# Altium PCB 充放电模块V2.PcbDoc
Units mm, origin at the board's own origin, x right, y up, seen from the top; angles counter-clockwise.
Board outline 37.85 x 48.13 mm, 2 copper layers (Top Layer, Bottom Layer); 64 components, 40 nets, 190 pads, 108 vias.
Unrouted connection lines stored in the file: 1.
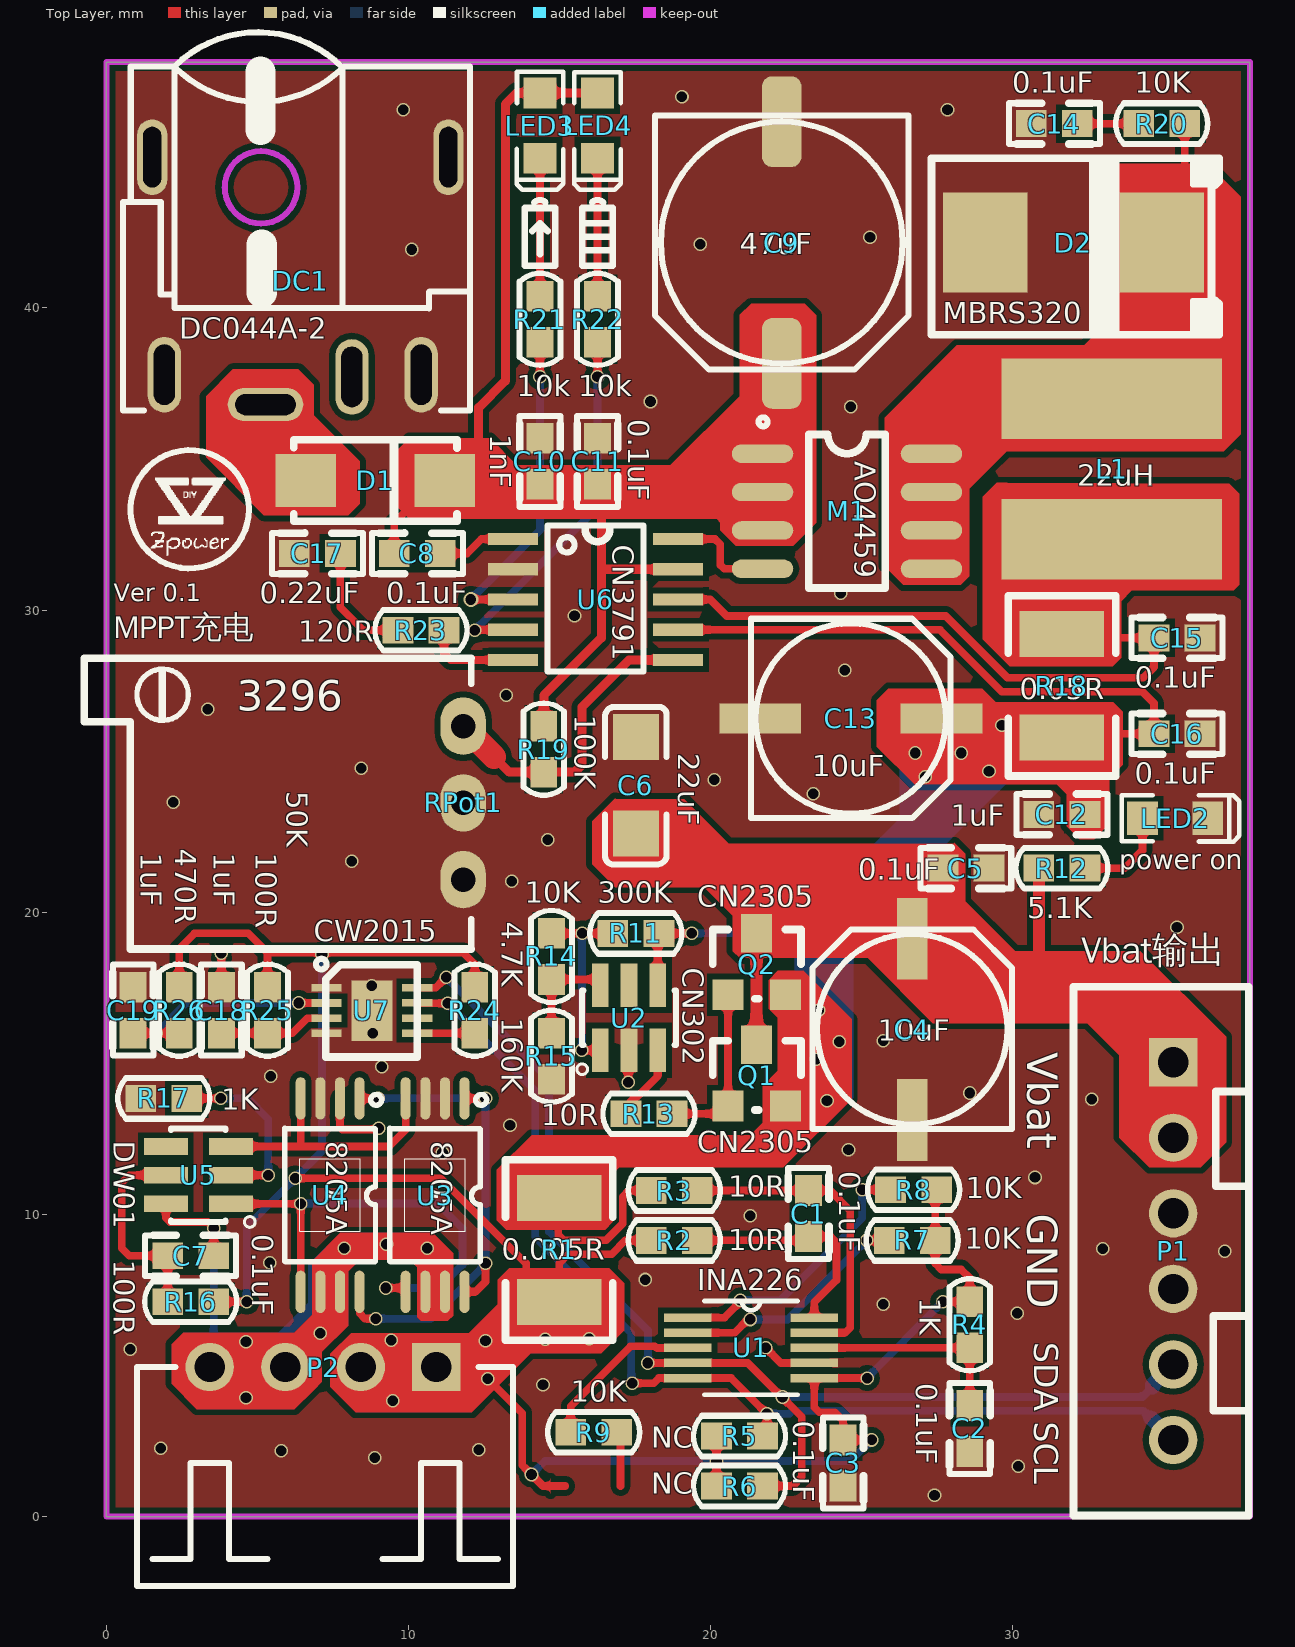
[diagram p0: Top Layer view]
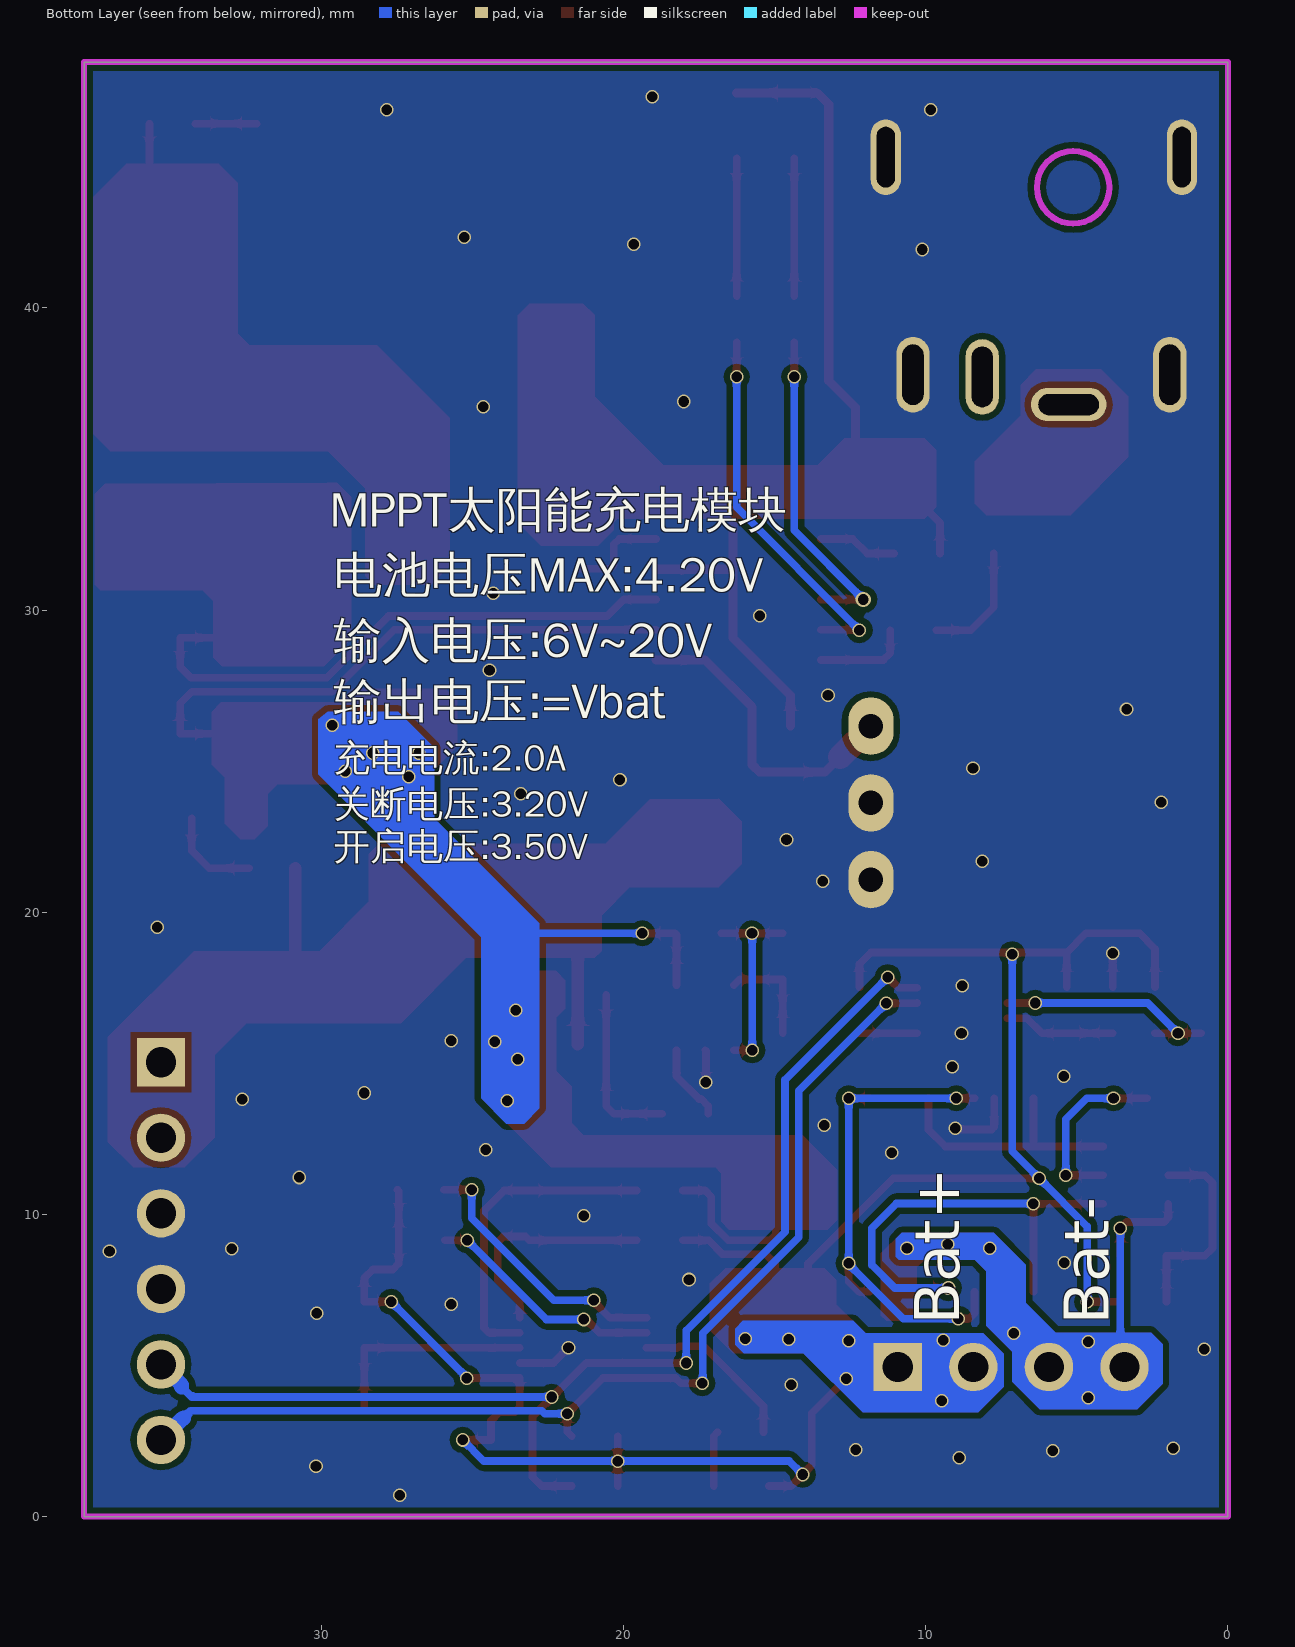
[diagram p1: Bottom Layer view, seen from below]
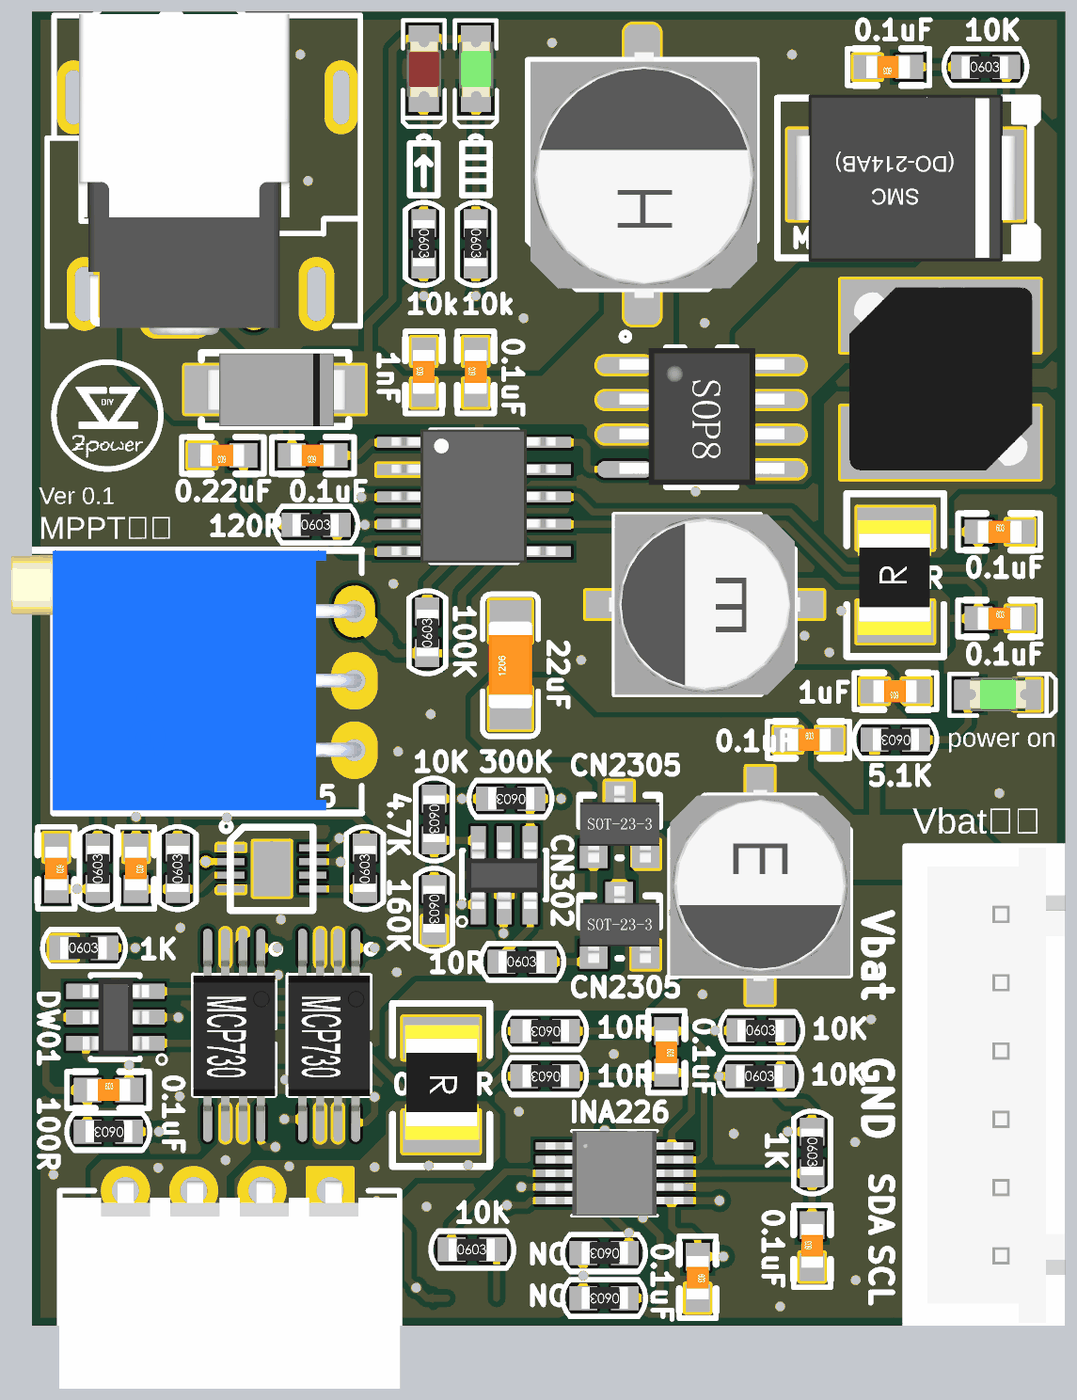
[diagram p2: 3D render of the assembled board from above, using the file's embedded part models]

## Layer stack, top to bottom
Top Solder: solder mask 0.0102, Solder Resist, Dk 3.5
Top Layer: signal copper 0.0356
Dielectric 1: dielectric 0.32, FR-4, Dk 4.8
Bottom Layer: signal copper 0.0356
Bottom Solder: solder mask 0.0102, Solder Resist, Dk 3.5

## Board outline
0,0 37.846,0 37.846,48.133 0,48.133

## Design rules (kind name [scope] priority, off if disabled: settings)
Clearance [All] p1: gap=0.2
ComponentClearance [All] p1: gap=0 collisioncheckmode=3 verticalgap=0 showdistances=FALSE
MinimumSolderMaskSliver [All] p1: minsoldermaskwidth=0
PlaneConnect [All] p1: planeconnectstyle=Direct reliefexpansion=0.508 reliefentries=4 reliefconductorwidth=0.254 reliefairgap=0.254
PolygonConnect [All] p1: connectstyle=Direct reliefconductorwidth=0.254 reliefentries=4 polygonreliefangle="90 Angle" airgapwidth=0.254
RoutingVias [All] p1: holewidth=0.4 width=0.5 viastyle="Through Hole" minholewidth=0.35 minwidth=0.45 maxholewidth=1 maxwidth=2
SilkToSilkClearance [All] p1: silktosilkclearance=0
SilkToSolderMaskClearance [IsPad] p1: minsilkscreentomaskgap=0 clearancetoexposedcopper=TRUE
SolderMaskExpansion [All] p1: expansion=0.102
Width [All] p1: maxlimit=1 minlimit=0.2 preferedwidth=0.3
25 further rules are at their usual default settings.

## Components (designator, comment, footprint, x,y, rotation, side; value= is the part's Value field where it differs from the comment)
C1 "0.1uF" 0603-C 23.241,10.82 r270 top
C2 "0.1uF" 0603-C 28.575,2.134 r90 top
C3 "0.1uF" 0603-C 24.384,2.565 r270 top
C4 "10uF" C6.3X6.3 26.67,16.129 r270 top
C5 "0.1uF" 0603-C 27.661,21.463 r0 top
C6 "22uF" "1206 C" 17.526,22.606 r90 top
C7 "0.1uF" 0603-C 2.007,8.636 r0 top
C8 "0.1uF" 0603-C 11.074,31.877 r180 top
C9 "47uF" C8X8 22.352,42.164 r90 top
C10 "1nF" 0603-C 14.351,34.138 r90 top
C11 "0.1uF" 0603-C 16.256,34.138 r90 top
C12 "1uF" 0603-C 32.41,23.241 r180 top
C13 "10uF" C6.3X6.3 24.638,26.416 r180 top
C14 "0.1uF" 0603-C 32.156,46.101 r180 top
C15 "0.1uF" 0603-C 34.646,29.083 r0 top
C16 "0.1uF" 0603-C 34.646,25.908 r0 top
C17 "0.22uF" 0603-C 7.772,31.877 r180 top
C18 "1uF" 0603-C 3.81,17.551 r270 top
C19 "1uF" 0603-C 0.889,17.551 r270 top
D1 "二极管" DO-214 6.604,34.29 r0 top
D2 "MBRS320" DO-214AB 31.242,42.164 r0 top
DC1 "DC044A-2" "DC044A 6PIN" 11.328,44.985 r270 top
L1 "22uH" L7X7 33.274,34.671 r270 top
LED2 "LED" LED0805G 34.29,23.114 r0 top
LED3 "LED" LED0805R 14.351,47.117 r270 top
LED4 "LED" LED0805G 16.256,47.117 r270 top
M1 "AO4459" SOP8 21.742,35.204 r0 top
P1 "Vout" XHS2.5-6P 35.306,15.04 r90 top
P2 "BAT" "XH 2.5 AW 4PIN" 3.429,4.953 r0 top
Q1 "CN2305" SOT23 20.45,13.573 r0 top
Q2 "CN2305" SOT23 20.45,17.256 r0 top
R1 "0.005R" 1210R 14.986,10.541 r270 top
R2 "10R" 0603-r 19.583,9.144 r180 top
R3 "10R" 0603-r 19.583,10.795 r180 top
R4 "1K" 0603-r 28.575,7.137 r270 top
R5 "NC" 0603-r 21.742,2.667 r180 top
R6 "NC" 0603-r 21.742,1.016 r180 top
R7 "10K" 0603-r 25.883,9.144 r0 top
R8 "10K" 0603-r 25.927,10.82 r0 top
R9 "10K" 0603-r 15.342,2.794 r0 top
R11 "300K" 0603-r 18.313,19.304 r180 top
R12 "5.1K" 0603-r 32.41,21.463 r180 top
R13 "10R" 0603-r 17.17,13.335 r0 top
R14 "10K" 0603-r 14.732,19.329 r270 top
R15 "160K" 0603-r 14.732,16.027 r270 top
R16 "100R" 0603-r 3.581,7.112 r180 top
R17 "1K" 0603-r 1.118,13.843 r0 top
R18 "0.05R" 1210R 31.623,25.781 r90 top
R19 "100K" 0603-r 14.478,24.613 r90 top
R20 "10K" 0603-r 34.138,46.101 r0 top
R21 "10k" 0603-r 14.351,40.411 r270 top
R22 "10k" 0603-r 16.256,40.411 r270 top
R23 "120R" 0603-r 9.627,29.337 r0 top
R24 "4.7K" 0603-r 12.192,15.977 r90 top
R25 "100R" 0603-r 5.334,15.977 r90 top
R26 "470R" 0603-r 2.413,15.977 r90 top
RPot1 "50K" "VR5 - W" 11.811,21.082 r90 top
U1 "INA226" DGS10 21.336,5.588 r0 top
U2 "CN302" SOT23-6 17.297,16.51 r180 top
U3 "8205A" TSSOP8-MCP730P 10.881,10.643 r270 top
U4 "8205A" TSSOP8-MCP730P 7.407,10.643 r270 top
U5 "DW01" SOT23-6 3.048,11.303 r270 top
U6 "CN3791" SSOP10 13.462,28.353 r0 top
U7 "CW2015" QFN-8 7.214,17.501 r0 top

## Footprints (in the part's own frame and the unit in brackets; to place one, negate y for a bottom-side part, rotate by r counter-clockwise, add the part's x,y. Pads: shape width x height; smd on the part's side, far side on the other; paste and mask are expansions set on the pad)
0603-C [mil]
  rect 40x35 smd: 1(1,0) 2(61,0)
  silkscreen extent -29,-27 90,27, body extent 0,-16 63,16, height 12
0603-r [mil]
  rect 40x35 smd: 1(1,0) 2(61,0)
  silkscreen extent -29,-27 91,27, body extent -3,-16 63,15, height 22
"1206 C" [mil] "3216/A型"
  rect 60x60 smd: 1(0,0) 2(126,0)
  silkscreen extent -40,-40 165,40, body extent 0,-31 126,32, height 39
1210R [mil]
  rect 60x110 smd: 1(0,0) 2(135,0)
  silkscreen extent -50,-70 185,70, body extent -19,-52 147,54, height 25
C6.3X6.3 [mm]
  rect 2.7x1 smd: 1(-3,0) 2(3,0)
  silkscreen extent -3.3,-3.3 3.3,3.3, body extent -3.5,-3.3 3.5,3.3, height 5.2
C8X8 [mm]
  rrect50% 3x1.3 smd: 1(-4,0) 2(4,0)
  silkscreen extent -4.2,-4.2 4.2,4.2, body extent -4.52,-4.22 4.48,4.08, height 10.5
"DC044A 6PIN" [mm]
  oval 2.5x1 hole 0.6 slot 2 at 0 deg: 1(-0.008,-0.008) 5(-0.008,-9.808)
  oval 2.5x1.1 hole 0.7 slot 2 at 0 deg: 2(7.192,-0.908) 4(7.192,-9.408) 6(7.266,-3.2)
  oval 1.1x2.5 hole 0.7 slot 2 at 90 deg: 3(8.181,-6.06)
  Keep-Out Layer circle w0.2: c0.992,-6.208 r1.2
  silkscreen extent -4.14,-10.77 8.37,0.71, body extent -3.06,-9.6 8.69,-1.9, height 9.8
DGS10 [mil]
  rect 62x11 smd: 1(-82.5,39.37) 2(-82.5,19.69) 3(-82.5,0) 4(-82.5,-19.69) 5(-82.5,-39.37) 6(82.5,-39.37) 7(82.5,-19.69) 8(82.5,0) 9(82.5,19.69) 10(82.5,39.37)
  silkscreen extent -61,-61 61,61, body extent -100,-61 100,61, height 43
DO-214 [mm]
  rect 2x1.75 smd: 1(0,0) 2(4.6,0)
  silkscreen extent -0.4,-1.35 5,1.35, body extent -0.2,-1.34 4.91,1.33, height 2.12
DO-214AB [mm]
  rect 2.8x3.3 smd: 1(-2.159,0) 2(3.683,0)
  silkscreen extent -3.94,-3.05 5.59,2.79, body extent -3.3,-3.18 4.83,2.92, height 2.4
L7X7 [mm] "POWER INDUCTOR 5uH"
  rect 2.65x7.3 smd: 1(-2.325,0) 2(2.325,0)
  body extent -3.36,-3.33 3.34,3.37, height 2.9
LED0805G [mil]
  rect 40x43.31 smd: 1(0,0) 2(85,0)
  silkscreen extent -27,-30 126,30, body extent 3,-24 83,25, height 43
LED0805R [mil]
  rect 40x43.31 smd: 1(0,0) 2(85,0)
  silkscreen extent -28,-30 126,30, body extent 3,-24 83,25, height 43
QFN-8 [mm] "SOT-23/SC-74A; 5 Leads; Body 3.1 x 3 mm, inc. leads (LxW max)"
  rect 1x0.25 smd: 1(0.076,0) 2(0.076,-0.5) 3(0.076,-1) 5(3.073,-1.499) 6(3.073,-0.999) 7(3.073,-0.499) 8(3.073,0.001)
  rect 1x0.25 smd paste+0: 4(0.076,-1.5)
  rect 1.35x2 smd: 9(1.575,-0.762)
  silkscreen extent -0.28,-2.29 3.07,0.96, body extent 0.05,-2.29 3.07,0.76, height 1
SOP8 [mil]
  oval 80x24 smd: 1(-1,-1) 2(-1,-51) 3(-1,-101) 4(-1,-151) 5(219,-151) 6(219,-101) 7(219,-51) 8(219,-1)
  silkscreen extent -6,-176 159,46, body extent -9,-174 229,24, height 63
SOT23 [mil]
  rect 40x40 smd: 1(4.88,0.63) 3(79.88,0.63)
  rect 40x50 smd: 2(41.88,80.63)
  silkscreen extent -15,-4 100,86, body extent -15,-11 99,99, height 47
SOT23-6 [mm] "SOT-23/SC-74A; 5 Leads; Body 3.1 x 3 mm, inc. leads (LxW max)"
  rect 0.55x1.45 smd: 1(0.95,1.075) 2(0,1.075) 3(-0.95,1.075) 4(-0.95,-1.075) 5(0,-1.075) 6(0.95,-1.075)
  silkscreen extent -1.55,-0.9 1.72,1.88, body extent -1.4,-1.19 1.4,1.23, height 1.08
SSOP10 [mm]
  rect 1.65x0.4 smd: 1(0,4) 2(0,3) 3(0,2) 4(0,1) 5(0,0) 6(5.461,0) 7(5.461,1) 8(5.461,2) 9(5.461,3) 10(5.461,4)
  silkscreen extent 1.14,-0.38 4.32,4.44, body extent -0.28,-0.42 5.71,4.48, height 1.55
TSSOP8-MCP730P [mm]
  oval 1.4x0.33 smd: 1(-3.2,0.975) 2(-3.2,0.325) 3(-3.2,-0.325) 4(-3.2,-0.975) 5(3.2,-0.975) 6(3.2,-0.325) 7(3.2,0.325) 8(3.2,0.975)
  silkscreen extent -3.33,-1.5 2.2,1.7, body extent -3.17,-1.5 3.23,1.5, height 1.22
"VR5 - W" [mm]
  oval 1.905x1.5 hole 0.813: 1(0,0) 2(2.54,0) 3(5.08,0)
  silkscreen extent -2.29,-0.27 7.32,12.54, body extent -2.21,-0.27 7.32,12.57, height 4.91
"XH 2.5 AW 4PIN" [mm]
  rect 1.6x1.6 hole 1: 1(7.493,0)
  round 1.6 hole 1: 2(4.993,0) 3(2.493,0) 4(-0.007,0)
  silkscreen extent -2.41,-7.24 10.03,0, body extent -2.44,-7.25 10.06,0.35, height 5.9
XHS2.5-6P [mm]
  rect 1.6x1.6 hole 1: 1(0,0)
  round 1.6 hole 1: 2(-2.5,0) 3(-5,0) 4(-7.5,0) 5(-10,0) 6(-12.5,0)
  silkscreen extent -15,-2.5 2.5,3.3, body extent -14.92,-2.54 2.48,3.21, height 7

## Part data
C1 C2 C3 C5 C6 C7 C8 C10 C11 C12 C14 C15 C16 C17 C18 C19: library part Cap, "Capacitor"
C4 C9 C13: library part "Cap 有极性"
D1: library part D
D2: library part 1N4148
DC1: "6PIN"
L1: library part Inductor, "Inductor"
P1: library part "Header 6", "Header, 6-Pin"
P2: library part "Header 4", "Header, 4-Pin"
R1 R2 R3 R4 R5 R6 R7 R8 R9 R11 R12 R13 R14 R15 R16 R17 R18 R19 R20 R21 R22 R23 R24 R25 R26: library part Res2, "Resistor"
RPot1: library part 可调电阻
U1: library part INA226_DGS_10, "Imported"
U2: "如韵电池检测"

## Via types
v1: diameter 0.45, hole 0.35, Top Layer to Bottom Layer, tented both sides, 105 vias
v2: diameter 0.45, hole 0.35, Top Layer to Bottom Layer, 2 vias
v3: diameter 0.5, hole 0.35, Top Layer to Bottom Layer, tented both sides, 1 vias

## Nets (pads, with @x,y where several pads share a name; then routed paths per layer and width w, separated by ;. In a path a pad name is that pad's centre, name@x,y a point inside that pad or via, vN(x,y) a via of type N, cw(c..) or ccw(c..) an arc to the next point about the centre after c; other vN are vias at no path point)
B+: C3.1 P2.1 P2.2 R1.2 R2.2 R4.1 R5.2 R6.2 R7.2 R8.2 R9.2 R16.1 R24.2 R25.2 R26.2 U1.6 | length 75.9
  Top Layer w0.254: R26.2 2.413,18.796 2.921,19.304 4.699,19.304 5.334,18.669 ; R16.1 v1(4.648,7.112) ; R25.2 5.334,18.669 ; v1(6.248,11.201) 11.069,11.201 13.894,8.377 13.894,7.899 ; R24.2 12.192,18.288 11.811,18.669 5.334,18.669 ; v1(12.624,4.572) 13.767,3.429 13.767,1.702 v1(14.072,1.397) 14.453,1.016 15.189,1.016 ; R1.2 14.986,8.382 15.294,8.69 16.723,8.69 17.177,9.144 R2.2 ; R9.2 17.018,2.667 17.018,1.016 ; R6.2 v1(20.193,1.841) R5.2 ; v1(25.181,4.588) U1.6 23.431,3.619 23.597,3.454 24.105,3.454 24.384,3.175 C3.1 v1(25.324,2.54) ; R8.2 27.432,10.776 R7.2 27.432,8.382 27.635,8.179 28.296,8.179 28.575,7.899 R4.1 v1(27.686,7.112) v1@27.661,7.087
  Bottom Layer w0.254: v1(4.648,7.112) 4.648,9.601 v1(6.248,11.201) 7.137,12.09 v1(7.137,18.618) ; v1(14.072,1.397) 14.516,1.841 v1(20.193,1.841) 24.625,1.841 v1(25.324,2.54) ; v1@25.146,4.572 v1(27.686,7.112)
  other v1: 9.474,3.835 12.548,5.817 9.423,5.842 14.529,5.867 15.977,5.893
B-: C7.2 P2.3 P2.4 U3.6 U3.7 U4.6 U4.7 U5.6 | length 7.8
  Top Layer w0.254: U5.6 1.973,9.889 2.111,9.751 3.355,9.751 v1(3.556,9.55) C7.2
  Bottom Layer w0.254: P2.4 3.556,5.087 v1(3.556,9.55)
  other v1: 4.623,3.937 4.623,5.791 7.087,6.071 7.874,8.89 10.617,8.89 9.271,9.017
GND: C2.1 C3.2 C4.2 C5.2 C6.2 C9.2 C10.2 C11.2 C12.2 C13.2 C14.2 C15.2 C16.2 C17.2 C18.1 C19.1 D2.1 DC1.1 DC1.2 DC1.4 DC1.5 LED2.2 P1.3 P1.4 R15.2 R17.1 RPot1.1 RPot1.2 U1.7 U2.2 U3.2 U3.3 U4.2 U4.3 U6.2 U7.1 U7.4 U7.9 | length 6.3
  Top Layer w0.254: C18.1 v1(3.81,18.644) ; U4.2 7.732,12.893 7.809,12.816 8.981,12.816 v1(9.017,12.852) ; v1(17.272,14.376) 17.272,15.41 U2.2 ; v1(21.819,5.588) 22.319,5.088 U1.7
  other v1: 27.407,0.711 30.175,1.676 8.89,1.956 5.791,2.184 12.319,2.21 1.803,2.261 14.453,4.369 0.787,5.537 30.15,6.731 25.705,7.036 17.831,7.849 5.41,8.407 37.008,8.788 32.969,8.865 21.311,9.957 30.734,11.227 11.125,12.04 24.562,12.141 13.36,12.954 32.614,13.818 28.575,14.021 5.436,14.58 9.119,14.884 25.705,15.748 8.814,16.002 8.788,17.577 35.433,19.507 13.411,21.031 8.128,21.692 14.605,22.403 2.21,23.647 23.393,23.927 20.117,24.384 8.433,24.765 3.353,26.721 13.233,27.178 24.435,28.016 15.494,29.82 24.308,30.556 24.638,36.728 18.009,36.906 10.109,41.935 19.66,42.113 25.273,42.342 9.83,46.558 27.838,46.558 19.05,46.99
I1: C15.1 L1.2 R18.2 U6.8 | length 21
  Top Layer w0.254: U6.8 19.99,30.353 20.536,29.807 27.775,29.807 29.823,27.759 34.312,27.759 34.671,28.118 C15.1 31.75,29.083 R18.2
I2: C12.1 C13.1 C16.1 Q1.3 Q2.3 R1.1 R3.2 R11.1 R18.1 U2.4 U6.7 | length 33.6
  Top Layer w0.254: R1.1 14.961,10.516 14.961,9.322 15.138,9.144 16.535,9.144 17.094,9.703 17.094,10.592 17.297,10.795 R3.2 ; U2.4 18.247,19.263 R11.1 v1(19.38,19.304) ; U6.7 27.587,29.353 29.635,27.305 34.29,27.305 34.671,26.924 C16.1 31.75,25.908 R18.1
  Bottom Layer w0.254: v1@19.355,19.329 v1(19.38,19.304) 23.622,19.304
  other v1: 23.851,13.767 23.495,15.138 24.257,15.723 23.571,16.764 27.102,24.486 29.21,24.663 26.772,25.273 28.296,25.273 29.642,26.187
NetC1_1: C1.1 R3.1 U1.9 | length 10.5
  Top Layer w0.254: R3.1 C1.1 23.952,10.795 24.616,10.131 24.616,6.252 24.452,6.088 U1.9
NetC1_2: C1.2 R2.1 U1.10 | length 7.5
  Top Layer w0.254: R2.1 23.114,9.144 C1.2 23.978,9.271 24.162,9.086 24.162,7.83 23.431,7.099 U1.10
NetC7_1: C7.1 R16.2 U5.5 | length 6.9
  Top Layer w0.254: U5.5 0.762,11.303 0.508,11.049 0.508,8.89 0.762,8.636 C7.1 R16.2
NetC8_1: C8.1 U6.1 | length 2.6
  Top Layer w0.254: C8.1 11.938,31.877 12.414,32.353 U6.1
NetC14_1: C14.1 R20.1 | length 2
  Top Layer w0.254: C14.1 R20.1
NetC17_1: C17.1 R23.1 | length 4
  Top Layer w0.254: C17.1 7.747,30.099 8.509,29.337 R23.1
NetC18_2: C18.2 R25.1 U7.3 | length 3.7
  Top Layer w0.254: C18.2 R25.1 6.149,16.002 6.648,16.501 U7.3
NetC19_2: C19.2 R26.1 U7.2 | length 7.6
  Top Layer w0.254: C19.2 v2(1.651,16.002) R26.1 ; v2(6.367,17.001) U7.2
  Bottom Layer w0.254: v2(1.651,16.002) 2.65,17.001 v2(6.367,17.001)
NetD1_1: D1.1 DC1.3
NetD2_2: D2.2 L1.1 M1.5 M1.6 M1.7 M1.8 R20.2 | length 4.3
  Top Layer w0.254: D2.2 35.687,42.926 R20.2
NetLED2_1: LED2.1 R12.1 | length 3.2
  Top Layer w0.254: R12.1 33.706,21.463 34.29,22.047 LED2.1
NetLED3_2: LED3.2 R21.1 | length 4.6
  Top Layer w0.254: R21.1 LED3.2
NetLED4_2: LED4.2 R22.1 | length 4.6
  Top Layer w0.254: R22.1 LED4.2
NetM1_4: M1.4 U6.10 | length 3.3
  Top Layer w0.254: U6.10 20.144,32.353 20.32,32.177 20.32,31.496 20.447,31.369 M1.4@21.463,31.369
NetQ1_1: Q1.1 Q2.1 R13.2 | length 5.6
  Top Layer w0.254: R13.2 20.32,13.335 Q1.1 Q2.1
NetR7_1: R7.1 U1.2 | length 7.9
  Top Layer w0.254: U1.2 20.795,6.088 21.234,6.528 v1(21.311,6.528) ; v1(25.168,9.144) R7.1
  Bottom Layer w0.254: v1(21.311,6.528) 22.552,6.528 v1(25.168,9.144)
NetR8_1: R8.1 U1.1 | length 9
  Top Layer w0.254: U1.1 20.456,6.588 20.98,7.112 v1(20.98,7.163) ; v1(25.019,10.82) R8.1
  Bottom Layer w0.254: v1(20.98,7.163) 22.301,7.163 25.019,9.881 v1(25.019,10.82)
NetR9_1: R9.1 U1.3 | length 5.6
  Top Layer w0.254: R9.1 15.367,3.658 17.349,5.64 18.153,5.64 18.205,5.588 U1.3
NetR11_2: R11.2 R14.1 U2.1 | length 6.5
  Top Layer w0.254: R14.1 v1(15.748,19.304) R11.2 ; v1(15.74,15.435) U2.1
  Bottom Layer w0.254: v1(15.74,15.435) 15.74,19.278 15.731,19.287 v1(15.748,19.304)
NetR13_1: R13.1 U2.3 | length 2.6
  Top Layer w0.254: R13.1 17.196,13.589 17.431,13.824 17.501,13.824 18.247,14.571 U2.3
NetR14_2: R14.2 R15.1 U2.6 | length 3.5
  Top Layer w0.254: R15.1 R14.2 16.152,17.78 U2.6
NetR17_2: R17.2 U5.2 | length 6.1
  Top Layer w0.254: R17.2 v1(3.785,13.843) ; U5.2 v1(5.359,11.303)
  Bottom Layer w0.254: v1(3.785,13.843) 4.674,13.843 5.359,13.157 v1(5.359,11.303)
NetR19_1: R19.1 RPot1.3 U6.6 | length 10.4
  Top Layer w0.3: 12.827,25.146 13.335,24.638 R19.1 15.494,24.638 15.748,24.892 15.748,26.797 17.304,28.353 U6.6
  Top Layer w0.8: RPot1.3 12.827,25.146
NetR21_2: R21.2 U6.3 | length 10.9
  Top Layer w0.254: v3(12.065,30.353) U6.3 ; v1(14.351,37.719) R21.2
  Bottom Layer w0.254: v3(12.065,30.353) 14.351,32.639 v1(14.351,37.719)
NetR22_2: R22.2 U6.4 | length 12.5
  Top Layer w0.254: v1(12.192,29.337) 12.208,29.353 U6.4 ; v1(16.256,37.719) R22.2
  Bottom Layer w0.254: v1(12.192,29.337) 16.256,33.401 v1(16.256,37.719)
NetR23_2: R23.2 U6.5 | length 3.1
  Top Layer w0.254: R23.2 11.176,28.575 11.398,28.353 U6.5
NetR24_1: R24.1 U7.5 | length 1.9
  Top Layer w0.254: U7.5 R24.1
NetU3_1: U3.1 U3.8 U4.1 U4.8 | length 17.5
  Top Layer w0.254: U4.8 8.382,6.731 8.56,6.553 v1(8.915,6.553) ; U4.1 v1(8.992,13.843) ; U3.8 12.218,7.443 12.548,7.772 v1(12.548,8.382) ; U3.1 v1(12.548,13.843)
  Bottom Layer w0.254: v1(8.915,6.553) 10.744,6.553 12.548,8.357 v1(12.548,8.382) v1(12.548,13.843) v1(8.992,13.843)
NetU3_4: U3.4 U4.4 U5.3 | length 8.6
  Top Layer w0.254: U5.3 9.357,12.253 9.906,12.802 U3.4 ; 6.432,12.319 U4.4
NetU3_5: U3.5 U4.5 U5.1 | length 15.7
  Top Layer w0.254: U5.1 v1(6.436,10.353) 6.432,10.349 U4.5 ; v1(9.246,7.569) 9.78,7.569 U3.5
  Bottom Layer w0.254: v1@6.426,10.363 10.973,10.363 11.786,9.55 11.786,8.331 11.024,7.569 v1(9.246,7.569)
SCL_BAT: P1.6 R5.1 U1.5 U7.7 | length 35.8
  Top Layer w0.254: U7.7 10.296,16.993 v1(11.303,16.993) ; v1(17.399,4.42) 18.11,4.42 18.279,4.588 U1.5 20.685,4.588 v1(21.863,3.41) 21.863,2.813 R5.1
  Bottom Layer w0.254: v1(11.303,16.993) 14.199,14.097 14.199,9.246 17.372,6.072 v1@17.372,4.42 ; v1(21.863,3.41) 22.606,3.41 22.704,3.508 34.312,3.508 34.569,3.251
  Bottom Layer w0.5: 34.569,3.251 34.595,3.251 P1.6
SDA_BAT: P1.5 R6.1 U1.4 U7.8 | length 39.3
  Top Layer w0.254: U7.8 10.898,17.502 v1(11.252,17.856) ; v1(17.924,5.088) U1.4 21.226,5.088 23.012,3.302 23.012,1.321 22.708,1.016 R6.1
  Bottom Layer w0.254: v1(11.252,17.856) 14.653,14.456 14.653,9.434 17.926,6.16 v1(17.924,5.088) ; v1(22.377,3.962) 34.228,3.962 ; 34.259,3.993 34.228,3.962 ; 34.62,4.293 34.29,3.962 34.228,3.962
  Bottom Layer w0.5: 34.62,4.293 34.62,4.354 P1.5
VBAT: C4.1 C5.1 C6.1 P1.1 P1.2 Q1.2 Q2.2 R12.2 | length 6.9
  Top Layer w0.4: Q1.2 Q2.2 ; 30.861,18.237 R12.2
VBAT_U: C2.2 R4.2 U1.8 | length 7
  Top Layer w0.254: U1.8 R4.2 C2.2
输入: C8.2 C9.1 C10.1 C11.1 D1.2 LED3.1 LED4.1 M1.1 M1.2 M1.3 R19.2 U6.9 | length 29.5
  Top Layer w0.254: C8.2 9.525,32.893 10.922,34.29 D1.2
  Top Layer w0.3: 12.319,35.433 12.319,36.703 13.208,37.592 13.208,46.736 13.589,47.117 LED3.1 LED4.1 ; R19.2 14.478,27.178 16.383,29.083 16.383,31.353 ; C11.1 16.383,34.036 16.383,31.353 ; U6.9 16.383,31.353
pads on no net: DC1.6 U2.5 U5.4 U7.6

## Polygon pours and split planes (outlines as drawn)
GND on Top Layer "Top Layer-No Net" (solid, pour order 0): 0,0 0,48.133 37.846,48.133 37.846,0
GND on Bottom Layer "Top Layer-No Net" (solid, pour order 2): 37.846,0 0,0 0,48.133 37.846,48.133

## Keep-outs
Keep-Out Layer:
  the board outline again, w0.2

## Other copper
Top Layer:
  region net NetD1_1: 4.191,37.973 3.302,37.084 3.302,35.052 5.207,33.147 8.001,33.147 8.382,33.528 8.382,34.925 6.858,36.449 6.858,37.465 6.35,37.973
  region net 输入: 10.033,35.687 9.652,35.306 9.652,33.401 10.033,33.02 20.193,33.02 20.32,32.893 20.32,32.639 20.828,32.131 22.733,32.131 23.495,32.893 23.495,39.751 23.114,40.132 21.336,40.132 20.955,39.783 20.955,37.084 18.669,34.798 13.589,34.798 12.7,35.687
  region net B-: 6.223,3.556 6.096,3.556 2.997,3.556 2.159,4.394 2.159,5.715 2.54,6.096 6.223,6.096 6.807,6.68 6.807,8.458 7.747,9.398 10.795,9.398 11.481,8.712 11.481,6.655 11.303,6.477 10.414,6.477 10.287,6.604 10.287,8.255 10.033,8.509 8.382,8.509 8.001,8.128 8.001,6.325 7.137,5.461 7.137,4.47 6.858,4.191
  region net NetD2_2: 28.55,31.115 28.27,30.836 26.365,30.836 25.756,31.445 25.756,36.373 28.143,38.76 32.36,38.76 32.766,39.167 32.766,44.145 33.401,44.78 36.449,44.78 37.541,43.688 37.541,35.814 36.982,35.255 29.794,35.255 28.55,34.011
  region net I1: 29.82,34.214 29.464,34.214 29.007,33.757 29.007,29.032 29.896,28.143 33.299,28.143 33.579,28.423 33.579,30.302 33.934,30.658 37.313,30.658 37.49,30.836 37.49,33.858 37.16,34.188
  region net I2: 29.439,26.949 28.981,27.407 25.883,27.407 25.502,27.026 25.502,25.476 26.746,24.232 31.445,24.232 31.775,23.901 31.775,22.857 32.206,22.427 32.69,22.427 33.198,22.935 33.198,24.46 33.63,24.892 33.63,26.645 33.325,26.949
  region net B+: 7.417,4.293 8.255,3.454 12.09,3.454 14.046,5.41 16.383,5.41 17.145,6.172 17.145,7.722 16.637,8.23 13.335,8.23 12.954,7.849 12.954,7.036 11.989,6.071 8.103,6.071 7.417,5.385
  region net I2: 16.51,9.5 13.233,9.5 12.929,9.804 12.929,11.481 14.072,12.624 21.311,12.624 21.717,13.03 21.717,14.249 22.225,14.757 22.225,16.51 21.92,16.815 21.92,17.755 22.225,18.059 23.063,18.059 24.663,16.459 24.663,13.818 22.403,11.557 16.967,11.557 16.764,11.354 16.764,9.754
  region net VBAT: 16.84,23.774 16.078,23.012 16.078,21.59 16.84,20.828 19.787,20.828 20.726,19.888 20.726,18.72 20.955,18.491 25.197,18.491 27.356,16.332 32.461,16.332 33.528,15.265 33.528,12.548 34.519,11.557 36.22,11.557 37.059,12.395 37.059,15.875 34.214,18.72 30.074,18.72 28.423,20.371 28.423,20.98 28.423,21.946 28.067,22.301 28.042,22.276 20.599,22.276 19.126,23.749 16.84,23.749
Bottom Layer:
  region net B-: 6.223,3.556 6.096,3.556 2.997,3.556 2.159,4.394 2.159,5.715 2.54,6.096 5.69,6.096 6.68,7.087 6.68,8.331 7.747,9.398 10.795,9.398 10.998,9.195 10.998,8.611 10.897,8.509 10.033,8.509 8.382,8.509 8.001,8.128 8.001,6.325 7.137,5.461 7.137,4.47 6.858,4.191
  region net B+: 7.417,4.293 8.255,3.454 12.09,3.454 14.046,5.41 16.027,5.41 16.307,5.69 16.307,6.223 16.053,6.477 12.395,6.477 11.989,6.071 8.103,6.071 7.417,5.385
  region net I2: 29.794,26.645 27.457,26.645 26.264,25.451 26.264,23.114 22.784,19.634 22.784,13.513 23.292,13.005 23.876,13.005 24.714,13.843 24.714,19.177 30.099,24.562 30.099,26.391

## Silkscreen, mask and mechanical layers (free items; w line width, h text height)
Top Overlay:
  drawing of 318 lines, arcs and shapes, not listed
  text "Ver 0.1" at 0.254,30.099 h1
  text "MPPT充电" at 0.254,28.829 h1.3
  text "power on" at 33.528,21.209 h1.1
  text "Vbat输出" at 32.258,18.034 h1.5
  text "Vbat" at 30.48,15.367 h1 r270
  text "GND" at 30.48,10.033 h1 r270
  text "SDA" at 30.709,5.766 h0.8 r270
  text "SCL" at 30.709,3.15 h0.8 r270
Bottom Overlay:
  text "MPPT太阳能充电模块" at 29.718,32.385 h2
  text "电池电压MAX:4.20V" at 29.591,30.226 h2
  text "输入电压:6V~20V" at 29.591,28.067 h2
  text "输出电压:=Vbat" at 29.591,26.035 h2
  text "充电电流:2.0A" at 29.591,24.384 h1.5
  text "关断电压:3.20V" at 29.591,22.86 h1.5
  text "开启电压:3.50V" at 29.591,21.463 h1.5
  text "Bat-" at 3.937,6.35 h1.5 r270
  text "Bat+" at 8.89,6.35 h1.5 r270

## Text inside footprints (layer, text, board x,y; h text height)
RPot1: Top Overlay "3296" at 4.318,26.67 h1.02